# Altium PCB HYPNOSIA_controller_V1.PcbDoc (part 2 of 2)
Units mm, origin at the board's own origin, x right, y up, seen from the top; angles counter-clockwise.
Board outline 120 x 66 mm, 4 copper layers (Top Layer, Internal Plane 1, Internal Plane 2, Bottom Layer), stack 1.57 mm thick; 120 components, 131 nets, 566 pads, 166 vias.
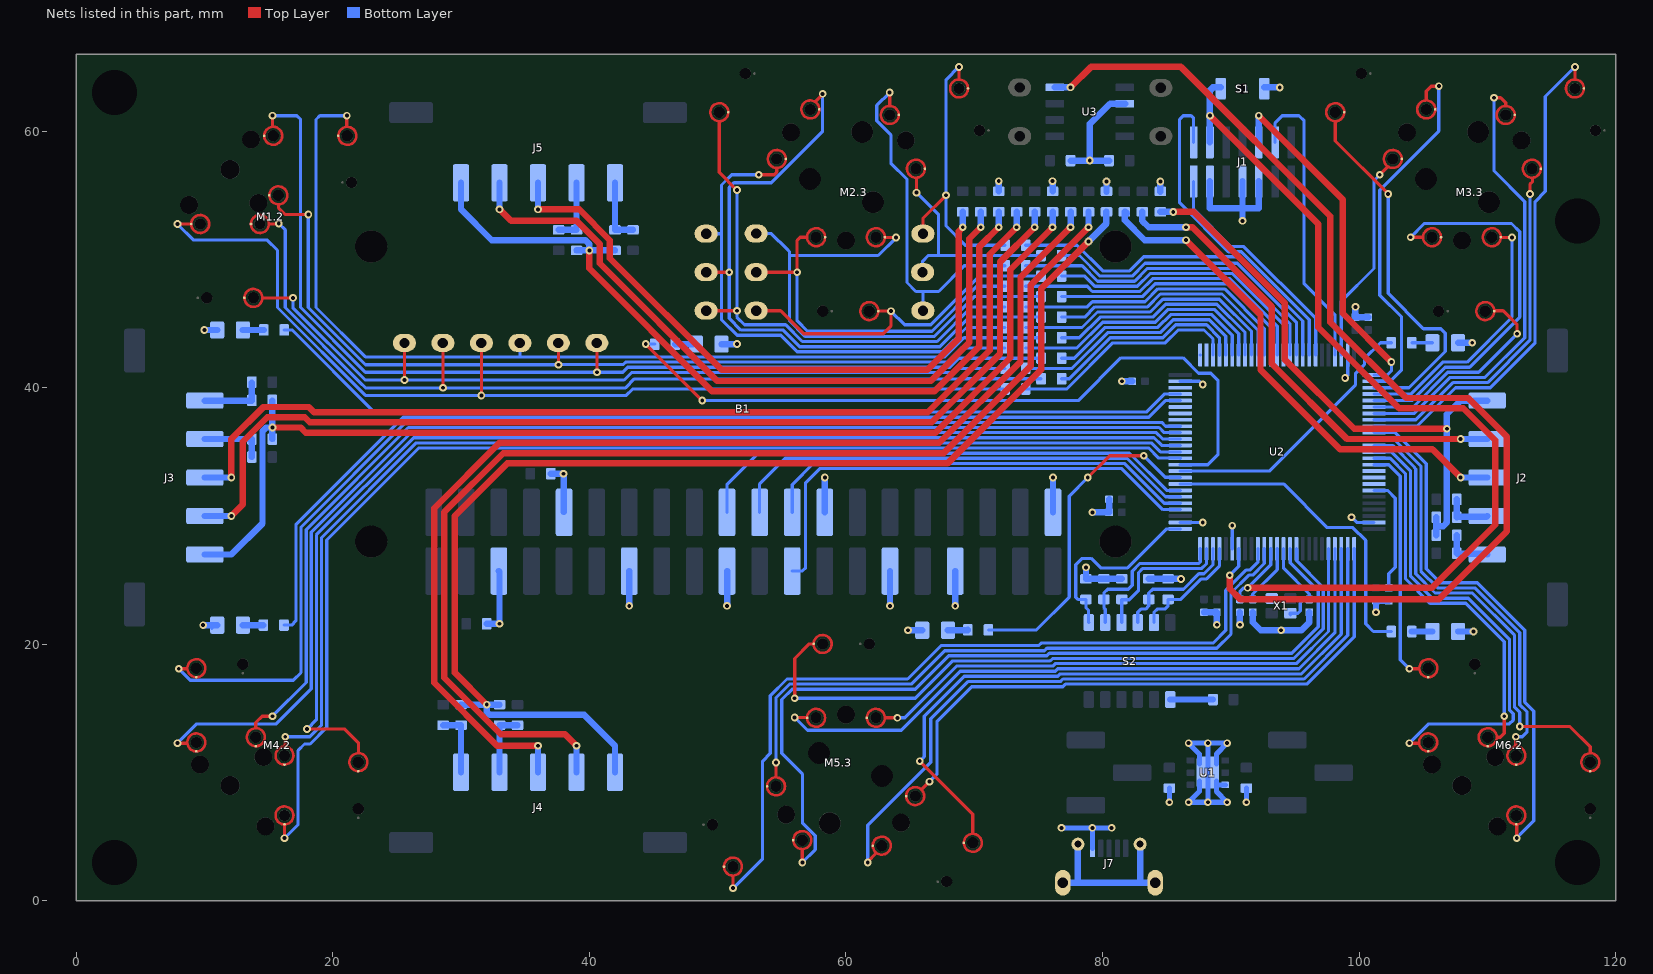
[diagram p4: the nets of this part, all layers, seen from the top]

## Via types
v1: diameter 0.6, hole 0.3, Top Layer to Bottom Layer, tented both sides, 166 vias

## Nets (pads, with @x,y where several pads share a name; then routed paths per layer and width w, separated by ;. In a path a pad name is that pad's centre, name@x,y a point inside that pad or via, vN(x,y) a via of type N, cw(c..) or ccw(c..) an arc to the next point about the centre after c; other vN are vias at no path point) (continued)
GND: B1.6 B1.9 B1.14 B1.20 B1.25 B1.30 B1.34 B1.39 C3.1 C4.1 C5.2 C6.1 C7.1 C10.2 C11.2 C12.1 C13.1 C14.1 C15.1 C16.1 C17.1 C18.1 C19.1 C20.1 C21.1 J1.5 J1.7 J1.11 J7.5 J7.6 J7.7 J7.8 J7.9 LD1.1 LD2.1 LD3.1 LD4.1 LD5.1 LD6.1 R1.1 R2.2 R3.2 R4.2 R24.2 R32.2 R35.2 R36.2 R47.2 R48.2 S1.1 U1.3 U1.7 U2.20 U2.27 U2.49 U2.74 U2.99 U3.2 | length 128.4
  Bottom Layer w0.25: B1.9@38,30.316 B1.9@38.03,30.286 ; U2.27@86.05,29.5 v1(87.8,29.5) ; U2.49@86.05,40.5 87.55,40.5 v1(87.8,40.25) ; U2.20@90.1,27.45 v1(90.1,29.25) ; v1(98.9,40.75) 99.1,40.95 U2.74@99.1,42.55 ; v1(99.4,29.9) 99.8,29.5 U2.99@101.15,29.5
  Bottom Layer w0.4: v1(76.8,5.7) v1(79.2,5.7) ; J7.5@79.2,4.1 v1(79.2,5.7) ; v1(80.7,5.7) v1(79.2,5.7) ; v1(85.2,7.7) C12.1@85.2,8.8 ; U1.7@87.537,9.338 87.537,8.537 v1(86.7,7.7) v1(88.2,7.7) ; U1.7@87.537,10.662 87.537,11.463 v1(86.7,12.3) v1(88.2,12.3) ; U1.7@88.863,9.338 88.863,8.537 v1(89.7,7.7) v1(88.2,7.7) ; U1.7@88.863,10.662 88.863,11.463 v1(89.7,12.3) v1(88.2,12.3) ; 89.1,9.051 U1.3@89.55,9.051 ; v1(91.2,7.7) C13.1@91.2,8.8 ; v1(88.2,7.7) U1.7@88.2,10.001 v1(88.2,12.3)
  Bottom Layer w0.5: v1(9.9,21.5) LD4.1@11,21.5 ; v1(10,44.5) LD1.1@11,44.5 ; C5.2@32,21.6 v1(33,21.6) 33,25.664 B1.6@32.95,25.714 ; C6.1@37,33.3 v1(37.992,33.3) 38,33.292 B1.9@38,30.316 ; v1(43.11,23) B1.14@43.11,25.714 ; LD2.1@50.3,43.4 v1(51.5,43.4) ; v1(50.73,23) B1.20@50.73,25.714 ; B1.25@58.35,30.286 v1(58.35,33) ; v1(63.43,23) B1.30@63.43,25.714 ; v1(64.832,21.1) LD5.1@65.94,21.1 ; v1(68.51,23) B1.34@68.51,25.714 ; R48.2@71.9,55.3 v1(71.9,56.1) ; R36.2@76.1,55.3 v1(76.1,56.1) ; B1.39@76.13,30.286 v1(76.13,33) ; J7.7@76.9,1.425 78.075,1.425 ; C21.1@77.5,57.699 v1(79,57.7) ; J7.6@78.075,4.425 78.075,1.425 ; v1(78.7,26) R2.2@78.7,25.1 R3.2@80.1,25.1 R4.2@81.5,25.1 ; v1(79.2,30.286) C16.1@80.5,30.286 C19.1@80.5,31.3 ; R47.2@80.3,55.275 v1(80.3,56.075) ; C20.1@80.5,57.7 v1(79,57.7) ; v1(81.5,40.5) C17.1@82.3,40.5 ; U3.2@81.761,62.134 80.579,62.134 79,60.555 v1(79,57.7) ; J7.9@82.925,4.425 82.925,1.425 ; R24.2@83.6,25.1 R32.2@85.1,25.1 v1(86.1,25.1) ; J7.8@84.1,1.425 82.925,1.425 ; R35.2@84.5,55.275 v1(84.5,56.075) ; C3.1@87.9,22.5 C4.1@88.9,22.5 v1(88.9,21.527) ; J1.11@88.36,56.076 88.36,54 90.9,54 ; v1(90.7,21.527) C7.1@90.7,22.5 ; v1(90.9,53) 90.9,54 ; J1.7@90.9,56.076 90.9,54 ; C11.2@91.7,22.5 91.7,21.719 92.319,21.1 v1(93.91,21.1) 95.5,21.1 96.1,21.7 C10.2@96.1,22.5 ; J1.5@92.17,56.076 92.17,54 90.9,54 ; S1.1@92.6,63.4 v1(93.8,63.4) ; v1(99.7,46.3) C14.1@99.7,45.5 C15.1@100.7,45.5 ; v1(101.3,22.5) C18.1@101.3,23.4 R1.1@102.3,23.4 ; LD6.1@107.7,21 v1(108.9,21) ; LD3.1@107.7,43.5 v1(108.8,43.5) ; 78.075,1.425 82.925,1.425
LED_1: R5.2 U2.47 | length 73.1
  Bottom Layer w0.25: R5.2@16.224,44.5 16.85,44.5 23.25,38.1 83.392,38.1 84.792,39.5 U2.47@86.05,39.5
LED_2: R6.2 U2.36 | length 58.3
  Top Layer w0.25: v1(44.4,43.4) v1(48.8,39)
  Bottom Layer w0.25: v1(44.4,43.4) R6.2@45.1,43.4 ; v1(48.8,39) 78.1,39 81.426,42.326 86.268,42.326 87.467,41.127 88.427,41.127 89,40.554 89,34.8 88.2,34 U2.36@86.05,34
LED_3: R7.2 U2.35 | length 21.4
  Bottom Layer w0.25: U2.35@86.05,33.5 93,33.5 99.7,40.2 99.7,41.1 100.4,41.8 100.4,42.246 101.654,43.5 R7.2@102.5,43.5
LED_4: R8.2 U2.46 | length 81.5
  Bottom Layer w0.25: R8.2@16.2,21.5 16.8,21.5 17.13,21.83 17.13,29.33 25.5,37.7 83.592,37.7 84.892,39 U2.46@86.05,39
LED_5: R26.2 U2.34 | length 25.9
  Top Layer w0.25: v1(78.844,33) 80.544,34.7 v1(83.2,34.7)
  Bottom Layer w0.25: R26.2@71.1,21.127 74.845,21.127 77.4,23.682 77.4,31.556 v1(78.844,33) ; v1(83.2,34.7) 84.875,33.025 86.025,33.025 U2.34@86.05,33
LED_6: R27.2 U2.33 | length 25
  Bottom Layer w0.25: U2.33@86.05,32.5 94.1,32.5 97.5,29.1 99.5,29.1 100.5,28.1 100.5,21.6 101.1,21 R27.2@102.5,21
M1_Ah: R21.2 U2.56 | length 16.9
  Bottom Layer w0.25: R21.2@76.8,42.3 77.8,42.3 80.2,44.7 84.3,44.7 85.3,45.7 88.5,45.7 90.1,44.1 U2.56@90.1,42.55
M1_Am: R18.2 U2.53 | length 18
  Bottom Layer w0.25: R18.2@74,39.9 77.2,39.9 80.792,43.492 84.892,43.492 85.9,44.5 87.9,44.5 88.6,43.8 U2.53@88.6,42.55
M1_As: U2.48
M1_Bh: R22.1 U2.57 | length 20.3
  Bottom Layer w0.25: R22.1@74,43.1 78,43.1 80,45.1 84.1,45.1 85.1,46.1 88.7,46.1 90.6,44.2 U2.57@90.6,42.55
M1_Bm: R19.1 U2.54 | length 15.9
  Bottom Layer w0.25: R19.1@76.8,40.7 77.404,40.7 80.596,43.892 84.692,43.892 85.7,44.9 88.1,44.9 89.1,43.9 U2.54@89.1,42.55 U2.54@89.1,42.5
M1_Bs: U2.51 | length 0
M1_Ch: R23.1 U2.58 | length 18
  Bottom Layer w0.25: R23.1@76.8,43.892 78.192,43.892 79.8,45.5 83.908,45.5 84.908,46.5 88.9,46.5 91.1,44.3 U2.58@91.1,42.55
M1_Cm: R20.1 U2.55 | length 19.2
  Bottom Layer w0.25: R20.1@74,41.5 77.6,41.5 80.392,44.292 84.492,44.292 85.5,45.3 88.303,45.3 89.6,44.003 U2.55@89.6,42.55
M1_Cs: U2.52
M2_Ah: R9.2 U2.62 | length 20.3
  Bottom Layer w0.25: R9.2@76.8,47.1 83.1,47.1 84.1,48.1 89.7,48.1 93.1,44.7 U2.62@93.1,42.55
M2_Am: R11.2 U2.65 | length 25.7
  Bottom Layer w0.25: R11.2@74,49.5 78.4,49.5 79.6,48.3 82.493,48.3 83.493,49.3 90.3,49.3 94.6,45 U2.65@94.6,42.55
M2_As: R13.2 U2.59 | length 21.4
  Bottom Layer w0.25: R13.2@74,44.692 78.391,44.692 79.599,45.9 83.7,45.9 84.7,46.9 89.1,46.9 91.6,44.4 U2.59@91.6,42.55
M2_Bh: R10.1 U2.63 | length 24
  Bottom Layer w0.25: R10.1@74,47.9 78.8,47.9 79.2,47.5 82.9,47.5 83.9,48.5 89.9,48.5 93.6,44.8 U2.63@93.6,42.55
M2_Bm: R12.1 U2.66 | length 23.8
  Bottom Layer w0.25: R12.1@76.8,50.3 78.197,50.3 79.797,48.7 82.303,48.7 83.303,49.7 90.5,49.7 95.1,45.1 U2.66@95.1,42.55
M2_Bs: R14.1 U2.60 | length 19.2
  Bottom Layer w0.25: R14.1@76.8,45.5 78.6,45.5 79.4,46.3 83.5,46.3 84.5,47.3 89.3,47.3 92.1,44.5 U2.60@92.1,42.55
M2_Ch: R15.1 U2.64 | length 22.1
  Bottom Layer w0.25: R15.1@76.8,48.7 78.6,48.7 79.4,47.9 82.7,47.9 83.7,48.9 90.1,48.9 94.1,44.9 U2.64@94.1,42.55
M2_Cm: R16.1 U2.67 | length 27.6
  Bottom Layer w0.25: R16.1@74,51.1 78,51.1 80,49.1 82.1,49.1 83.2,50.2 90.6,50.2 95.6,45.2 U2.67@95.6,42.55
M2_Cs: R17.1 U2.61 | length 22.5
  Bottom Layer w0.25: R17.1@74,46.3 78.8,46.3 79.2,46.7 83.303,46.7 84.303,47.7 89.5,47.7 92.6,44.6 U2.61@92.6,42.55
M3_Ah: M3.3.3 U2.79 | length 20.3
  Top Layer w0.25: M3.3.3@111.045,51.727 111.072,51.7 v1(111.9,51.7)
  Bottom Layer w0.25: U2.79@101.15,39.5 104,39.5 106.5,42 108.4,42 111.9,45.5 v1(111.9,51.7)
M3_Am: M3.3.7 U2.82 | length 35.3
  Top Layer w0.25: v1@110.52,62.48 110.5,62.5 v1@110.5,62.52 ; v1@110.52,62.5 v1@110.5,62.52 ; 111.41,62 111.41,62.205 111.015,62.6 v1(110.5,62.6) v1@110.5,62.52
  Bottom Layer w0.25: U2.82@101.15,38 104.293,38 107.093,40.8 109.8,40.8 112.9,43.9 112.9,54.5 110.5,56.9 v1(110.5,62.6)
M3_As: M3.3.11 U2.73 | length 16.2
  Top Layer w0.25: v1(101.6,56.6) 102.205,57.205 102.205,57.219
  Bottom Layer w0.25: U2.73@98.6,42.55 98.6,46.743 101.15,49.293 101.15,56.15 101.3,56.3 v1(101.6,56.6)
M3_Bh: M3.3.4 U2.80 | length 30.8
  Top Layer w0.25: v1(104,51.727) 104.9,51.727
  Bottom Layer w0.25: U2.80@101.15,39 104.1,39 106.7,41.6 108.6,41.6 112.5,45.5 112.5,52.158 111.861,52.797 105.07,52.797 v1(104,51.727)
M3_Bm: M3.3.8 U2.83 | length 27.4
  Top Layer w0.25: v1(113.3,55.1) 113.3,55.847 113.5,56.047 113.5,56.267
  Bottom Layer w0.25: U2.83@101.15,37.5 104.4,37.5 107.3,40.4 110,40.4 113.3,43.7 v1(113.3,55.1)
M3_Bs: M3.3.12 U2.77 | length 29
  Top Layer w0.25: 105.216,62.5 105.216,63.116 105.6,63.5 v1(106.2,63.5)
  Bottom Layer w0.25: U2.77@101.15,40.5 102.4,40.5 103.3,41.4 103.3,45.512 101.6,47.212 101.6,55.4 106.2,60 v1(106.2,63.5)
M3_Ch: M3.3.2 U2.81 | length 16.5
  Top Layer w0.25: M3.3.2@110.535,45.969 110.566,46 111.21,46 112.3,44.91 v1(112.3,44.2)
  Bottom Layer w0.25: U2.81@101.15,38.5 104.2,38.5 106.9,41.2 109.3,41.2 v1(112.3,44.2)
M3_Cm: M3.3.6 U2.84 | length 39
  Top Layer w0.25: 116.808,64.036 v1(116.808,65)
  Bottom Layer w0.25: U2.84@101.15,37 104.496,37 107.496,40 110.2,40 113.7,43.5 113.7,54.5 114.5,55.3 114.5,62.692 v1(116.808,65)
M3_Cs: M3.3.10 U2.78 | length 28.9
  Top Layer w0.25: 98.122,60.7 98.122,59.228 v1(102.25,55.1)
  Bottom Layer w0.25: U2.78@101.15,40 103.875,40 106.7,42.825 106.7,44.25 106.35,44.6 105,44.6 102.25,47.35 v1(102.25,55.1)
M4_Ah: M4.2.5 U2.40 | length 96.2
  Top Layer w0.25: v1(7.9,12.3) 8.6,12.3
  Bottom Layer w0.25: v1(7.9,12.3) 9.4,13.8 15.6,13.8 18.33,16.53 18.33,28.73 26.1,36.5 84.192,36.5 84.692,36 U2.40@86.05,36
M4_Am: M4.2.1 U2.37 | length 95.7
  Top Layer w0.25: v1(16.242,4.9) 16.242,4.913 M4.2.1@16.242,5.9
  Bottom Layer w0.25: v1(16.242,4.9) 17.3,5.958 17.3,11.736 17.798,12.234 18.234,12.234 19.53,13.53 19.53,28.13 26.7,35.3 83.592,35.3 84.38,34.512 86.038,34.512 U2.37@86.05,34.5
M4_As: U2.43
M4_Bh: M4.2.6 U2.41 | length 89.1
  Top Layer w0.25: 14.009,13.5 14.009,13.909 14.5,14.4 v1(15.3,14.4)
  Bottom Layer w0.25: v1(15.3,14.4) 17.93,17.03 17.93,28.93 25.9,36.9 84.4,36.9 84.8,36.5 U2.41@86.05,36.5
M4_Bm: M4.2.4 U2.38 | length 88.8
  Top Layer w0.25: 16.3,12.085 v1(16.3,12.8)
  Bottom Layer w0.25: v1(16.3,12.8) 18.213,12.8 19.13,13.717 19.13,28.33 26.5,35.7 83.8,35.7 84.5,35 U2.38@86.05,35
M4_Bs: U2.44
M4_Ch: M4.2.7 U2.42 | length 94.1
  Top Layer w0.25: v1(8,18.1) 8.6,18.1
  Bottom Layer w0.25: v1(8,18.1) 8.9,17.2 16.93,17.2 17.53,17.8 17.53,29.13 25.7,37.3 84.6,37.3 84.9,37 U2.42@86.05,37
M4_Cm: M4.2.3 U2.39 | length 91.4
  Top Layer w0.25: v1(18,13.4) 20.934,13.4 22,12.334 22,11.541
  Bottom Layer w0.25: v1(18,13.4) 18.73,14.13 18.73,28.53 26.3,36.1 84,36.1 84.6,35.5 U2.39@86.05,35.5
M4_Cs: U2.45
M5_Ah: M5.3.3 U2.4 | length 53.1
  Top Layer w0.25: v1(56,14.3) M5.3.3@56.928,14.3
  Bottom Layer w0.25: v1(56,14.3) 57,13.3 64.3,13.3 68.908,17.908 76.3,17.908 76.492,18.1 88.879,18.1 95.3,18.1 98.1,20.9 U2.4@98.1,27.45
M5_Am: M5.3.7 U2.11 | length 66.3
  Top Layer w0.25: v1@56.59,3 56.59,4
  Bottom Layer w0.25: v1(56.6,3) 57.606,4.006 57.606,5.097 56.6,6.103 56.6,9.9 55,11.5 55,15.7 55.8,16.5 65.4,16.5 68.008,19.108 75.658,19.108 75.85,19.3 94.734,19.3 96.8,21.366 96.8,24.185 94.625,26.36 94.625,27.425 U2.11@94.6,27.45
M5_As: M5.3.11 U2.1 | length 48
  Top Layer w0.25: 65.9,8.7 v1(66.5,9.3) v1@66.4,9.4
  Bottom Layer w0.25: v1(66.5,9.3) 67.1,9.9 67.1,14 69.8,16.7 76.9,16.7 77.1,16.9 95.9,16.9 99.6,20.6 U2.1@99.6,27.45
M5_Bh: M5.3.4 U2.5 | length 43.7
  Top Layer w0.25: 63.1,14.273 v1(64,14.273)
  Bottom Layer w0.25: v1(64,14.273) 64.573,14.273 68.608,18.308 76.108,18.308 76.3,18.5 95.1,18.5 97.6,21 U2.5@97.6,27.45
M5_Bm: M5.3.8 U2.15 | length 51.6
  Top Layer w0.25: 54.547,9.7 v1(54.547,10.8)
  Bottom Layer w0.25: v1(54.547,10.8) 54.547,15.847 55.6,16.9 65.092,16.9 67.7,19.508 75.467,19.508 75.658,19.7 88.9,19.7 90,20.8 90,24 91.4,25.4 91.7,25.4 92.6,26.3 U2.15@92.6,27.45
M5_Bs: M5.3.12 U2.2 | length 56.1
  Top Layer w0.25: v1(61.7,3) 61.7,3.07 62.33,3.7
  Bottom Layer w0.25: v1(61.7,3) 61.7,5.9 66.6,10.8 66.6,14.2 69.5,17.1 76.7,17.1 76.9,17.3 95.7,17.3 99.1,20.7 U2.2@99.1,27.45
M5_Ch: M5.3.2 U2.10 | length 55.5
  Top Layer w0.25: v1(56,15.8) 56,18.9 57.131,20.031 M5.3.2@57.403,20.031
  Bottom Layer w0.25: v1(56,15.8) 65.409,15.8 68.317,18.708 75.908,18.708 76.1,18.9 94.9,18.9 97.2,21.2 97.2,24.431 95.125,26.506 95.125,27.425 U2.10@95.1,27.45
M5_Cm: M5.3.6 U2.16 | length 62.3
  Top Layer w0.25: v1@51.192,1 51.192,1.9
  Bottom Layer w0.25: v1(51.2,1) 53.5,3.3 53.5,10.9 54.1,11.5 54.1,16 55.4,17.3 64.8,17.3 67.408,19.908 75.026,19.908 75.218,20.1 88.6,20.1 89.6,21.1 89.6,24.2 91.2,25.8 91.5,25.8 92.1,26.4 U2.16@92.1,27.45
M5_Cs: M5.3.10 U2.3 | length 52.8
  Top Layer w0.25: v1(65.75,10.9) 69.878,6.772 69.878,5.3
  Bottom Layer w0.25: v1(65.75,10.9) 66.1,11.25 66.1,14.4 69.208,17.508 76.5,17.508 76.692,17.7 95.5,17.7 98.6,20.8 U2.3@98.6,27.45
M6_Ah: M6.2.5 U2.88 | length 37.4
  Top Layer w0.25: v1(103.9,12.3) 104.6,12.3
  Bottom Layer w0.25: U2.88@101.15,35 102.5,35 104,33.5 104,25.3 105.7,23.6 108.5,23.6 111.7,20.4 111.7,14.9 112,14.6 112,14.1 111.7,13.8 105.4,13.8 v1(103.9,12.3)
M6_Am: M6.2.1 U2.85 | length 41
  Top Layer w0.25: v1(112.275,4.9) 112.275,4.912 M6.2.1@112.275,5.9
  Bottom Layer w0.25: U2.85@101.15,36.5 102.8,36.5 105.216,34.084 105.216,25.884 106.3,24.8 109.2,24.8 112.9,21.1 112.9,15.5 113.6,14.8 113.6,6.258 v1@112.242,4.9
M6_As: U2.91
M6_Bh: M6.2.6 U2.89 | length 28.7
  Top Layer w0.25: 110.742,12.765 110.99,12.765 111.3,13.075 v1(111.3,14.4)
  Bottom Layer w0.25: U2.89@101.15,34.5 102.4,34.5 103.6,33.3 103.6,25.1 105.5,23.2 108.305,23.2 111.3,20.205 v1(111.3,14.4)
M6_Bm: M6.2.4 U2.86 | length 32.1
  Top Layer w0.25: 112.2,12.127 v1(112.2,12.8)
  Bottom Layer w0.25: U2.86@101.15,36 102.7,36 104.8,33.9 104.8,25.705 106.105,24.4 109,24.4 112.5,20.9 112.5,15.3 113.075,14.725 113.075,13.175 112.7,12.8 v1(112.2,12.8)
M6_Bs: U2.92
M6_Ch: M6.2.7 U2.90 | length 18.4
  Top Layer w0.25: v1(103.9,18.1) 104.6,18.1
  Bottom Layer w0.25: U2.90@101.15,34 102.3,34 103.2,33.1 103.2,18.8 v1(103.9,18.1)
M6_Cm: M6.2.3 U2.87 | length 35.8
  Top Layer w0.25: v1(112.5,13.6) 116.416,13.6 118,12.016 118,11.541
  Bottom Layer w0.25: U2.87@101.15,35.5 102.6,35.5 104.3,33.8 104.3,33.766 104.4,33.666 104.4,25.5 105.9,24 108.8,24 112.1,20.7 112.1,15.1 112.5,14.7 v1(112.5,13.6)
M6_Cs: U2.93
NetC1_1: C1.1 C8.1 J2.5 R35.1 | length 46.3
  Top Layer w0.5: v1(85.5,53.7) 87.1,53.7 94.2,46.6 94.2,42.2 99.6,36.8 v1(106.825,36.8)
  Bottom Layer w0.5: R35.1@84.5,53.7 v1(85.5,53.7) ; C8.1@106,28.5 106,29.2 ; C1.1@106,29.9 106,29.2 ; J2.5@109.965,39 107.9,39 106.825,37.925 106.825,29.493 106.532,29.2 106,29.2
NetC1_2: C1.2 J2.2 R30.1 | length 3.8
  Bottom Layer w0.5: R30.1@107.6,31.3 C1.2@107.6,29.9 107.65,29.95 109.915,29.95 J2.2@109.965,30
NetC2_1: C2.1 C9.1 J3.5 R36.1 | length 89.4
  Top Layer w0.5: v1(15.3,36.9) 17.508,36.9 17.908,36.5 66.974,36.5 72.8,42.326 72.8,49.2 v1(76.1,52.5)
  Bottom Layer w0.5: J3.5@10.035,27 12.1,27 14.525,29.425 14.525,36.607 14.818,36.9 v1(15.3,36.9) ; C9.1@15.3,36 v1(15.3,36.9) ; C2.1@15.3,39 v1(15.3,36.9) ; v1(76.1,52.5) R36.1@76.1,53.7
NetC2_2: C2.2 J3.1 R29.1 | length 5.1
  Bottom Layer w0.5: J3.1@10.035,39 12.1,39 13.7,39 R29.1@13.7,40.4
NetC8_2: C8.2 J2.1 R28.1 | length 3.8
  Bottom Layer w0.5: C8.2@107.6,28.5 R28.1@107.6,27.1 107.65,27.05 109.915,27.05 J2.1@109.965,27
NetC9_2: C9.2 J3.2 R31.1 | length 5.1
  Bottom Layer w0.5: J3.2@10.035,36 12.1,36 C9.2@13.7,36 R31.1@13.7,34.6
NetC22_1: C22.1 C23.1 J4.5 R47.1 | length 97.3
  Top Layer w0.5: v1(32,15.3) 29.5,17.8 29.5,30 33.6,34.1 67.909,34.1 75.2,41.391 75.2,47.7 v1(78.9,51.4)
  Bottom Layer w0.5: C23.1@30,15.3 v1(32,15.3) ; C22.1@33,15.3 v1(32,15.3) ; J4.5@42,10.035 42,12.1 39.6,14.5 32.245,14.5 32,14.745 v1(32,15.3) ; v1(78.9,51.4) 80.297,52.797 80.297,53.697 R47.1@80.3,53.7
NetC22_2: C22.2 J4.2 R41.1 | length 5.1
  Bottom Layer w0.5: J4.2@33,10.035 33,12.1 C22.2@33,13.7 R41.1@34.4,13.7
NetC23_2: C23.2 J4.1 R38.1 | length 5.1
  Bottom Layer w0.5: R38.1@28.6,13.7 C23.2@30,13.7 30,12.1 J4.1@30,10.035
NetC24_1: C24.1 C25.1 J5.5 R48.1 | length 65
  Top Layer w0.5: v1(40,50.7) 40,49.3 49.588,39.712 66.885,39.712 70.4,43.226 70.4,51 v1(71.9,52.5)
  Bottom Layer w0.5: J5.5@30,55.965 30,53.9 32.4,51.5 39.7,51.5 40,51.2 v1(40,50.7) ; C25.1@39,50.7 v1(40,50.7) ; C24.1@42,50.7 v1(40,50.7) ; v1(71.9,52.5) R48.1@71.9,53.7
NetC24_2: C24.2 J5.1 R40.1 | length 5.1
  Bottom Layer w0.5: J5.1@42,55.965 42,53.9 C24.2@42,52.3 R40.1@43.4,52.3
NetC25_2: C25.2 J5.2 R42.1 | length 5.1
  Bottom Layer w0.5: R42.1@37.6,52.3 C25.2@39,52.3 39,53.9 J5.2@39,55.965
NetJ2_3: J2.3 R37.1 | length 39.9
  Top Layer w0.5: v1(86.5,51.5) 92.3,45.7 92.3,41.4 98.5,35.2 105.7,35.2 v1(107.9,33)
  Bottom Layer w0.5: R37.1@81.738,53.7 81.738,53.056 83.293,51.5 v1(86.5,51.5) ; R37.1@81.775,53.7 R37.1@81.9,53.575 ; v1(107.9,33) J2.3@109.965,33
NetJ2_4: J2.4 R39.1 | length 37.2
  Top Layer w0.5: v1(86.5,52.5) 87,52.5 93.175,46.325 93.175,41.875 99.05,36 v1(107.9,36)
  Bottom Layer w0.5: R39.1@83.1,53.7 83.093,53.693 83.093,52.999 83.592,52.5 v1(86.5,52.5) ; v1(107.9,36) J2.4@109.965,36
NetJ3_3: J3.3 R33.1 | length 79
  Top Layer w0.5: v1(12.1,33) 12.1,36 14.6,38.5 18.138,38.5 18.538,38.1 66.374,38.1 71.2,42.926 71.2,50.4 v1(73.3,52.5)
  Bottom Layer w0.5: J3.3@10.035,33 v1(12.1,33) ; v1(73.3,52.5) R33.1@73.3,53.7
NetJ3_4: J3.4 R34.1 | length 82.6
  Top Layer w0.5: v1(12.1,30) 13,30.9 13,35.8 14.9,37.7 17.808,37.7 18.208,37.3 66.674,37.3 72,42.626 72,49.8 v1(74.7,52.5)
  Bottom Layer w0.5: J3.4@10.035,30 v1(12.1,30) ; v1(74.7,52.5) R34.1@74.7,53.7
NetJ4_3: J4.3 R43.1 | length 89.5
  Top Layer w0.5: v1(36,12.1) 32.8,12.1 27.9,17 27.9,30.6 33,35.7 67.274,35.7 73.6,42.026 73.6,48.6 v1(77.5,52.5)
  Bottom Layer w0.5: J4.3@36,10.035 v1(36,12.1) ; v1(77.5,52.5) R43.1@77.5,53.7
NetJ4_4: J4.4 R45.1 | length 91.8
  Top Layer w0.5: v1(39,12.1) 38.101,12.999 33.101,12.999 28.7,17.4 28.7,30.308 33.292,34.9 67.605,34.9 74.4,41.695 74.4,48 v1(78.9,52.5)
  Bottom Layer w0.5: J4.4@39,10.035 v1(39,12.1) ; v1(78.9,52.5) R45.1@78.9,53.7
NetJ5_3: J5.3 R44.1 | length 51.9
  Top Layer w0.5: v1(36,53.9) 39.2,53.9 41.6,51.5 41.6,50.1 50.3,41.4 66.348,41.4 68.8,43.852 68.8,52.2 v1(69.1,52.5)
  Bottom Layer w0.5: v1(36,53.9) J5.3@36,55.965 ; v1(69.1,52.5) R44.1@69.1,53.7
NetJ5_4: J5.4 R46.1 | length 56.9
  Top Layer w0.5: v1(33,53.9) 33.9,53 39,53 40.8,51.2 40.8,49.7 49.976,40.524 66.602,40.524 69.6,43.522 69.6,51.6 v1(70.5,52.5)
  Bottom Layer w0.5: v1(33,53.9) J5.4@33,55.965 ; v1(70.5,52.5) R46.1@70.5,53.7
NetLD1_2: LD1.2 R5.1 | length 1.6
  Bottom Layer w0.5: LD1.2@13,44.5 R5.1@14.624,44.5
NetLD2_2: LD2.2 R6.1 | length 1.6
  Bottom Layer w0.5: R6.1@46.7,43.4 LD2.2@48.3,43.4
NetLD3_2: LD3.2 R7.1 | length 1.6
  Bottom Layer w0.25: R7.1@104.1,43.5 LD3.2@105.7,43.5
NetLD4_2: LD4.2 R8.1 | length 1.6
  Bottom Layer w0.5: LD4.2@13,21.5 R8.1@14.6,21.5
NetLD5_2: LD5.2 R26.1 | length 1.6
  Bottom Layer w0.5: LD5.2@67.94,21.1 67.954,21.113 69.486,21.113 R26.1@69.5,21.127
NetLD6_2: LD6.2 R27.1 | length 1.6
  Bottom Layer w0.5: R27.1@104.1,21 LD6.2@105.7,21
NetM1.2_1: M1.2.1 R18.1 TP10.1 | length 77.9
  Top Layer w0.25: v1(7.9,52.758) 7.913,52.758 M1.2.1@8.9,52.758 ; v1(31.585,39.4) TP10.1@31.585,43.492
  Bottom Layer w0.25: v1(7.9,52.758) 9.158,51.5 14.9,51.5 15.7,50.7 15.7,46.25 22.55,39.4 42.884,39.4 43.384,39.9 R18.1@72.4,39.9
NetM1.2_3: M1.2.3 R20.2 TP12.1 | length 64.2
  Top Layer w0.25: 14.541,47 v1(16.9,47) ; TP12.1@25.593,43.492 25.6,43.485 v1(25.6,40.6)
  Bottom Layer w0.25: v1(16.9,47) 16.9,46.229 22.529,40.6 v1(25.6,40.6) 42.71,40.6 43.297,41.187 68.3,41.187 68.613,41.5 R20.2@72.4,41.5
NetM1.2_4: M1.2.4 R19.2 TP11.1 | length 73.2
  Top Layer w0.25: 15.045,52.758 15.758,52.758 v1(15.8,52.8) ; TP11.1@28.585,43.492 28.592,43.484 28.592,40.008 v1(28.6,40)
  Bottom Layer w0.25: v1(15.8,52.8) 16.3,52.3 16.3,46.25 22.2,40.35 ; 22.569,39.981 28.6,39.987 42.825,40.001 43.511,40.688 69.237,40.701 ; 69.238,40.7 R19.2@75.2,40.7 ; 22.2,40.35 22.534,40.016 22.2,40.35
NetM1.2_5: M1.2.5 R21.1 TP13.1 | length 80.3
  Top Layer w0.25: 15.3,60.405 v1(15.3,61.2) ; TP13.1@40.585,43.492 40.585,41.215 v1(40.6,41.2)
  Bottom Layer w0.25: v1(15.3,61.2) 17.2,61.2 17.5,60.9 17.5,46.25 22.55,41.2 v1(40.6,41.2) 42.6,41.2 42.995,41.595 68.1,41.595 68.805,42.3 R21.1@75.2,42.3
NetM1.2_6: M1.2.6 R22.2 TP14.1 | length 68.4
  Top Layer w0.25: 15.765,54.23 15.765,54.035 16.3,53.5 v1(18.1,53.5) ; TP14.1@37.585,43.492 37.585,41.8 v1(37.593,41.792)
  Bottom Layer w0.25: v1(18.1,53.5) 18.1,46.25 22.558,41.792 v1(37.593,41.792) ; v1@37.593,41.8 41,41.8 ; 41.008,41.808 42.642,41.808 42.829,41.995 67.9,41.995 69.005,43.1 R22.2@72.4,43.1
NetM1.2_7: M1.2.7 R23.2 TP15.1 | length 77.8
  Top Layer w0.25: 21.1,60.404 v1(21.1,61.2)
  Bottom Layer w0.25: v1(21.1,61.2) 19,61.2 18.7,60.9 18.7,46.25 22.55,42.4 34.585,42.4 ; TP15.1@34.585,43.488 34.585,42.4 ; R23.2@75.2,43.892 69.192,43.892 67.7,42.4 34.585,42.4
NetM2.3_2: M2.3.2 R15.2 TP7.1 | length 27.3
  Top Layer w0.25: TP7.1@53,46 54.9,46 56.7,44.2 62.9,44.2 63.5,44.8 v1(63.5,45.969) M2.3.2@62.535,45.969
  Bottom Layer w0.25: v1(63.5,45.969) 64.569,44.9 66.6,44.9 70.4,48.7 R15.2@75.2,48.7
  other v1: 63.5,45.969
NetM2.3_3: M2.3.3 R9.1 TP1.1 | length 39.7
  Top Layer w0.25: M2.3.3@63.045,51.727 63.072,51.7 v1(63.9,51.7)
  Bottom Layer w0.25: TP1.1@53,52.013 54.187,52.013 55.425,50.775 55.6,50.6 55.6,50.3 ; v1(63.9,51.7) 62.5,50.3 55.6,50.3 ; R9.1@75.2,47.1 70,47.1 66.9,44 56.799,44 55.6,45.199 55.6,50.3
NetM2.3_4: M2.3.4 R10.2 TP2.1 | length 28.3
  Top Layer w0.25: TP2.1@53,49 v1(56.19,49) 56.19,51.477 56.44,51.727 56.9,51.727
  Bottom Layer w0.25: v1(56.19,49) 56.19,45.21 57,44.4 66.7,44.4 70.2,47.9 R10.2@72.4,47.9
NetM2.3_6: M2.3.6 R16.2 TP8.1 | length 22.7
  Top Layer w0.25: TP8.1@66,52 66,53.2 v1(67.8,55) ; 68.8,64.1 v1(68.8,65)
  Bottom Layer w0.25: v1(68.8,65) 67.8,64 67.8,55.8 67.8,52.6 69.3,51.1 R16.2@72.4,51.1
NetM2.3_7: M2.3.7 R11.1 TP3.1 | length 27.5
  Top Layer w0.25: v1(63.4,63) 63.41,62.99 63.41,62
  Bottom Layer w0.25: v1(63.4,63) 62.4,62 62.4,60.8 63.5,59.7 63.5,57.5 64.751,56.249 64.751,48.2 65.451,47.5 66,47.5 ; TP3.1@66,46 66,47.5 ; R11.1@72.4,49.5 69.219,49.5 67.219,47.5 66,47.5
NetM2.3_8: M2.3.8 R12.2 TP4.1 | length 17
  Top Layer w0.25: v1(65.5,55.2) 65.5,56.267
  Bottom Layer w0.25: v1(65.5,55.2) 67.219,53.481 67.219,50.3 ; TP4.1@65.97,49 65.97,49.87 66.4,50.3 67.219,50.3 ; R12.2@75.2,50.3 67.219,50.3
NetM2.3_10: M2.3.10 R17.2 TP9.1 | length 41
  Top Layer w0.25: TP9.1@49.1,46 49.5,46 v1(51.5,46) ; 50.122,60.7 50.122,56.778 v1(51.5,55.4)
  Bottom Layer w0.25: v1(51.5,55.4) v1(51.5,46) 51.5,45.5 52.09,44.91 55.29,44.91 56.6,43.6 67.1,43.6 69.8,46.3 R17.2@72.4,46.3
NetM2.3_11: M2.3.11 R13.1 TP5.1 | length 40.5
  Top Layer w0.25: v1(53.2,56.6) 54.41,56.6 54.61,56.8 54.61,57
  Bottom Layer w0.25: TP5.1@49.1,52 50.3,52 ; v1(53.2,56.6) 51.1,56.6 50.3,55.8 50.3,52 ; R13.1@72.4,44.692 69.392,44.692 67.5,42.8 56.2,42.8 54.912,44.088 51.512,44.088 50.3,45.3 50.3,52
NetM2.3_12: M2.3.12 R14.2 TP6.1 | length 51
  Top Layer w0.25: TP6.1@49.1,49 v1(50.9,49) ; 57.6,62.3 58.18,62.88 v1(58.18,62.9)
  Bottom Layer w0.25: v1(58.18,62.9) 58.18,59.98 54.175,55.975 51.262,55.975 50.9,55.613 v1(50.9,49) 50.9,45.4 51.808,44.492 55.108,44.492 56.4,43.2 67.3,43.2 69.6,45.5 R14.2@75.2,45.5
NetR1_2: R1.2 U2.94 | length 9.1
  Bottom Layer w0.25: U2.94@101.15,32 102.2,32 102.8,31.4 102.8,26 102.3,25.5 R1.2@102.3,24.4
NetR25_2: R25.2 S2.12 | length 3.3
  Bottom Layer w0.5: S2.12@85.275,15.7 R25.2@88.6,15.7
OSC_IN: C10.1 U2.12 X1.3 | length 7.1
  Bottom Layer w0.25: U2.12@94.1,27.45 94.1,25.927 96.1,23.927 C10.1@96.1,23.5 95.673,23.5 95.4,23.227 95.4,22.598 95.227,22.425 X1.3@94.625,22.425 ; X1.3@94.625,22.325 X1.3@94.65,22.3
OSC_OUT: C11.1 U2.13 X1.1 | length 6.2
  Bottom Layer w0.25: X1.1@93.175,23.575 92.376,23.575 92.3,23.499 C11.1@91.7,23.5 91.7,23.924 93.6,25.825 U2.13@93.6,27.45
SPI_MISO_1: B1.21 U2.31 | length 37.1
  Bottom Layer w0.25: B1.21@53.27,30.286 53.27,32.5 55.27,34.5 81.9,34.5 84.9,31.5 U2.31@86.05,31.5
SPI_MOSI_1: B1.19 U2.32 | length 39.7
  Bottom Layer w0.25: B1.19@50.73,30.286 50.73,32.475 53.155,34.9 82.092,34.9 84.992,32 U2.32@86.05,32
SPI_NSS_1: B1.24 U2.29 | length 38.8
  Bottom Layer w0.25: B1.24@55.81,25.714 56.604,25.714 56.85,25.96 56.85,32.6 57.95,33.7 81.5,33.7 84.7,30.5 U2.29@86.05,30.5
SPI_SCLK_1: B1.23 U2.30 | length 34.4
  Bottom Layer w0.25: B1.23@55.81,30.286 55.81,32.445 57.465,34.1 81.7,34.1 84.8,31 U2.30@86.05,31
STBY: U2.19 U3.8 | length 87.6
  Top Layer w0.5: v1(77.501,63.405) 79.096,65 86.1,65 97.75,53.35 97.75,45.1 103.65,39.2 108.5,39.2 111.5,36.2 111.5,28.8 106.2,23.5 90.743,23.5 89.9,24.343 v1(89.9,25.381)
  Bottom Layer w0.25: v1(89.9,25.381) 90.6,26.081 U2.19@90.6,27.45
  Bottom Layer w0.5: U3.8@76.275,63.405 v1(77.501,63.405)
SW_0: R2.1 S2.1 U2.26 | length 15.2
  Bottom Layer w0.25: S2.1@78.925,21.7 78.9,21.725 78.9,22.65 78.7,22.85 R2.1@78.7,23.5 78.075,23.5 77.9,23.675 77.9,26.2 78.4,26.7 79.1,26.7 79.84,25.96 81.948,25.96 84.988,29 U2.26@86.05,29
SW_1: R3.1 S2.3 U2.25 | length 12.5
  Bottom Layer w0.25: S2.3@80.195,21.7 80.2,21.705 80.2,22.728 80.1,22.828 R3.1@80.1,23.5 80.1,24 80.4,24.3 82,24.3 82.303,24.603 82.303,25.703 82.9,26.3 87.483,26.3 87.6,26.417 U2.25@87.6,27.45
SW_2: R4.1 S2.5 U2.24 | length 11.5
  Bottom Layer w0.25: S2.5@81.465,21.7 81.482,21.717 81.482,23.482 82.082,23.482 82.8,24.2 82.8,25.6 83.1,25.9 87.7,25.9 88.1,26.3 U2.24@88.1,27.45
SW_3: R24.1 S2.7 U2.23 | length 10
  Bottom Layer w0.25: S2.7@82.735,21.7 82.735,22.5 82.985,22.75 83.35,22.75 83.6,23 R24.1@83.6,23.5 83.6,24 83.9,24.3 86.3,24.3 87.5,25.5 87.9,25.5 88.6,26.2 U2.23@88.6,27.45
SW_4: R32.1 S2.9 U2.22 | length 9
  Bottom Layer w0.25: S2.9@84.005,21.7 84,21.705 84,22.495 84.255,22.75 84.85,22.75 85.1,23 R32.1@85.1,23.5 86.1,23.5 87.7,25.1 88.1,25.1 89.1,26.1 U2.22@89.1,27.45
T_NRST: C7.2 J1.12 S1.2 U2.14 | length 75.4
  Top Layer w0.5: v1(88.36,61.2) 96.8,52.76 96.8,44.7 103.1,38.4 108.1,38.4 110.596,35.904 110.596,29.326 105.67,24.4 v1(91.3,24.4)
  Bottom Layer w0.25: C7.2@90.7,23.5 90.7,24.1 91,24.4 v1(91.3,24.4) 93.1,26.2 U2.14@93.1,27.45
  Bottom Layer w0.5: J1.12@88.36,59.124 v1(88.36,61.2) 88.36,63.167 88.593,63.4 S1.2@89.2,63.4
T_SWCLK: J1.6 U2.76 | length 27.7
  Top Layer w0.5: v1(92.17,61.2) 98.7,54.67 98.7,45.8 v1(102.5,42)
  Bottom Layer w0.25: U2.76@101.15,41 102.2,41 102.5,41.3 v1(102.5,42)
  Bottom Layer w0.5: J1.6@92.17,59.124 v1(92.17,61.2)
T_SWDIO: J1.4 U2.72 | length 23.4
  Bottom Layer w0.25: J1.4@93.44,59.124 93.44,60.64 93.998,61.198 95.302,61.198 95.7,60.8 95.7,48.1 98.1,45.7 U2.72@98.1,42.55
T_VCP_RX: J1.14 U2.68 | length 26.3
  Bottom Layer w0.25: J1.14@87.09,59.124 87.09,61.002 86.894,61.198 86.288,61.198 86,60.91 86,54.4 89.8,50.6 90.799,50.6 96.1,45.299 U2.68@96.1,42.55
T_VCP_TX: J1.13 U2.69 | length 18.1
  Bottom Layer w0.25: J1.13@87.09,56.076 87.09,53.91 90,51 91,51 96.6,45.4 U2.69@96.6,42.55
pads on no net: B1.0 B1.3 B1.5 B1.7 B1.8 B1.10 B1.11 B1.12 B1.13 B1.15 B1.16 B1.18 B1.22 B1.26 B1.27 B1.28 B1.29 B1.31 B1.32 B1.33 B1.35 B1.36 B1.37 B1.38 B1.40 J1.1 J1.2 J1.8 J1.9 J1.10 J2.6 J2.7 J3.6 J3.7 J4.6 J4.7 J5.6 J5.7 J7.2 J7.3 J7.4 M1.2.0 M1.2.2 M1.2.8 M1.2.14 M1.2.A1 M1.2.A2 M1.2.A3 M2.3.0 M2.3.1 M2.3.5 M2.3.9 M2.3.14 M2.3.15 M2.3.16 M2.3.17 M2.3.18 M2.3.19 M3.3.0 M3.3.1 M3.3.5 M3.3.9 M3.3.14 M3.3.15 M3.3.16 M3.3.17 M3.3.18 M3.3.19 M4.2.0 M4.2.2 M4.2.8 M4.2.14 M4.2.A1 M4.2.A2 M4.2.A3 M5.3.0 M5.3.1 M5.3.5 M5.3.9 M5.3.14 M5.3.15 M5.3.16 M5.3.17 M5.3.18 M5.3.19 M6.2.0 M6.2.2 M6.2.8 M6.2.14 M6.2.A1 M6.2.A2 M6.2.A3 S1.3 U1.4 U2.7 U2.8 U2.9 U2.17 U2.18 U2.95 U2.96 U2.97 U2.98 X1.2 X1.4

## Polygon pours and split planes (outlines as drawn)
3v3 on Internal Plane 1 (split plane): 119.748,0.252 0.252,0.252 0.252,65.748 119.748,65.748
GND on Internal Plane 2 (split plane): 119.748,0.252 0.252,0.252 0.252,65.748 119.748,65.748

## Silkscreen, mask and mechanical layers (free items; w line width, h text height)
Top Overlay:
  drawing of 3448 lines, arcs and shapes, not listed
  text "Gregory Geraci / Hypnosia Controller V1.0 / Bachelor Thesis  / 18.06.2020 ARC" at 19,9.9 h1.5
Mechanical 1:
  the board outline again, w0.2

## Text inside footprints (layer, text, board x,y; h text height)
B1: Bottom Overlay "P1" at 26,28.73 h2 r90
S2: Bottom Overlay "ON" at 77.2,16.7 h1